# KiCad board Solder.kicad_pcb (continued)
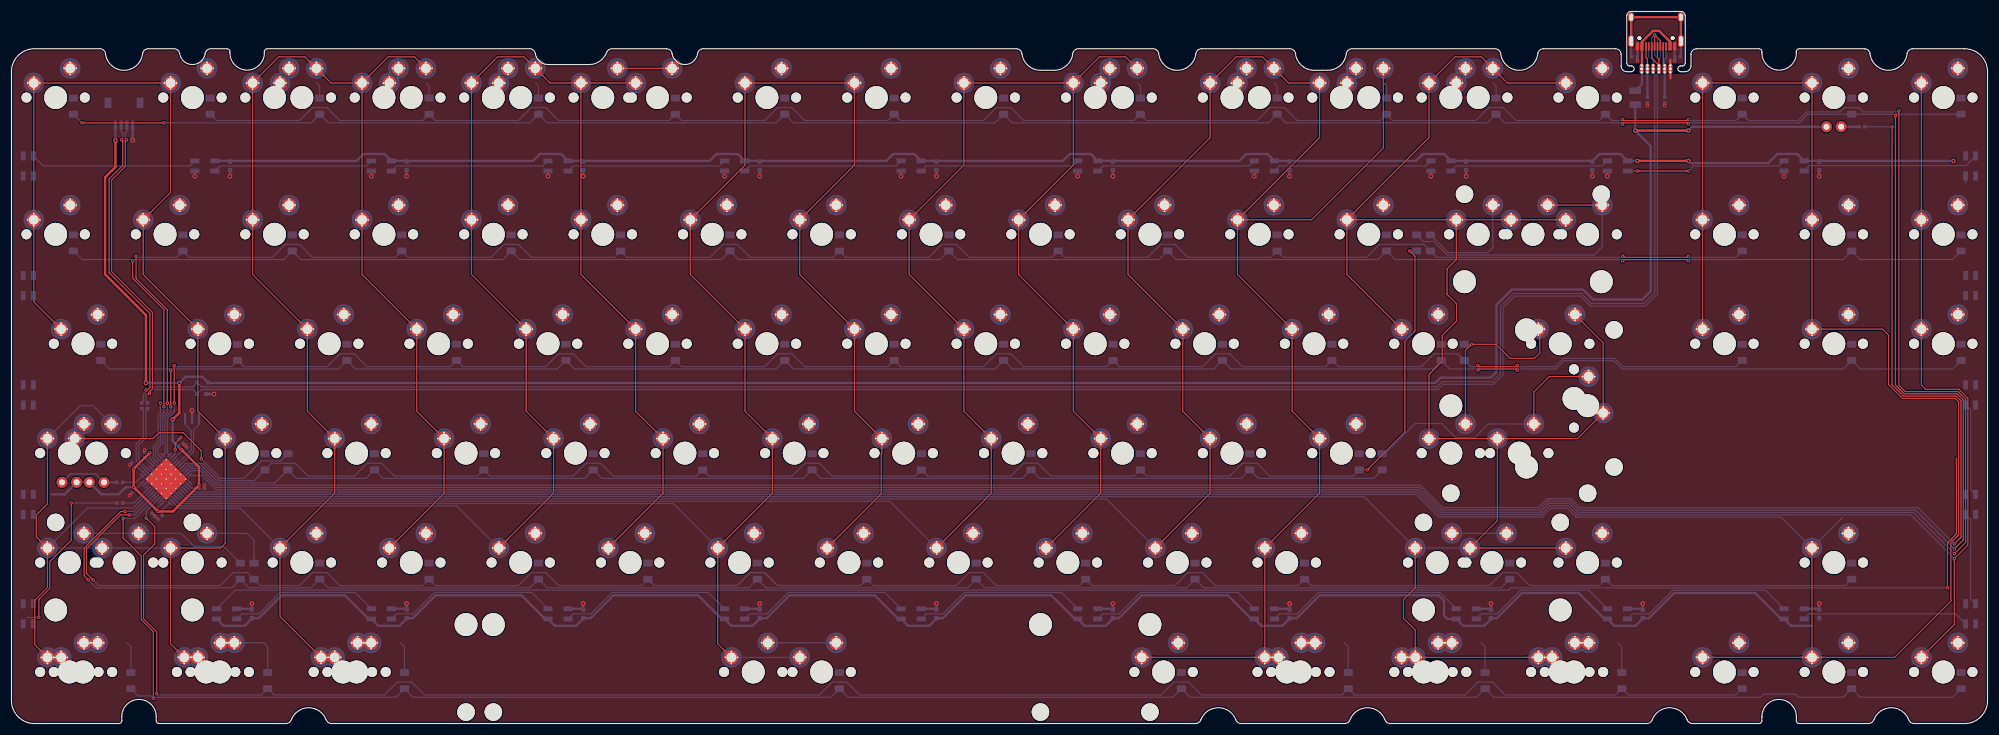
[diagram p0: board, top side]
## Copper pours and planes (outline as drawn; the poured copper is in the pictures) (continued)
C2 on Top: 93.02,112.38 92.95,112.45 92.88,112.53 92.82,112.6 92.77,112.67 92.72,112.74 92.69,112.81 92.65,112.87 92.62,112.94 92.6,113 92.58,113.06 92.56,113.12 92.55,113.19 92.54,113.25 92.53,113.31 92.5,113.83 92.49,113.9 92.49,113.98 92.48,114.05 92.46,114.13 92.45,114.21 92.42,114.3 92.4,114.39 92.37,114.48 90.75,114.51 90.78,112.89 90.87,112.86 90.96,112.83 91.04,112.81 91.12,112.79 91.2,112.78 91.28,112.77 91.35,112.76 91.42,112.76 91.95,112.73 92.01,112.72 92.07,112.71 92.13,112.69 92.19,112.68 92.26,112.66 92.32,112.63 92.39,112.6 92.45,112.57 92.52,112.53 92.59,112.49 92.66,112.43 92.73,112.38 92.8,112.31 92.88,112.24
C2 on Top: 80.18,109.04 80.18,109.14 80.18,109.24 80.19,109.33 80.21,109.42 80.22,109.5 80.24,109.58 80.26,109.65 80.29,109.71 80.32,109.78 80.35,109.83 80.38,109.89 80.41,109.94 80.45,109.99 80.49,110.04 80.84,110.43 80.88,110.49 80.93,110.55 80.98,110.61 81.02,110.67 81.07,110.74 81.11,110.82 81.16,110.9 81.2,110.98 80.08,112.15 78.95,110.98 78.99,110.9 79.04,110.82 79.08,110.74 79.13,110.67 79.18,110.61 79.22,110.55 79.27,110.49 79.32,110.43 79.66,110.04 79.7,109.99 79.74,109.94 79.77,109.89 79.81,109.83 79.84,109.78 79.86,109.71 79.89,109.65 79.91,109.58 79.93,109.5 79.95,109.42 79.96,109.33 79.97,109.24 79.97,109.14 79.98,109.04
C2 on Top: 87.77,70.35 87.84,70.28 87.91,70.2 87.97,70.13 88.02,70.06 88.07,69.99 88.11,69.93 88.14,69.86 88.17,69.8 88.19,69.73 88.21,69.67 88.23,69.61 88.24,69.55 88.25,69.48 88.26,69.42 88.29,68.9 88.3,68.83 88.3,68.75 88.31,68.68 88.33,68.6 88.35,68.52 88.37,68.43 88.39,68.35 88.42,68.25 90.04,68.22 90.01,69.85 89.92,69.87 89.83,69.9 89.75,69.92 89.67,69.94 89.59,69.95 89.51,69.96 89.44,69.97 89.37,69.98 88.84,70.01 88.78,70.01 88.72,70.02 88.66,70.04 88.6,70.05 88.53,70.07 88.47,70.1 88.41,70.13 88.34,70.16 88.27,70.2 88.2,70.25 88.13,70.3 88.06,70.36 87.99,70.42 87.91,70.5
C2 on Top: 80.18,85.22 80.18,85.33 80.18,85.43 80.19,85.52 80.21,85.61 80.22,85.69 80.24,85.76 80.26,85.83 80.29,85.9 80.32,85.96 80.35,86.02 80.38,86.08 80.41,86.13 80.45,86.18 80.49,86.23 80.84,86.62 80.88,86.68 80.93,86.73 80.98,86.8 81.02,86.86 81.07,86.93 81.11,87 81.16,87.08 81.2,87.17 80.08,88.34 78.95,87.17 78.99,87.08 79.04,87 79.08,86.93 79.13,86.86 79.18,86.8 79.22,86.73 79.27,86.68 79.32,86.62 79.66,86.23 79.7,86.18 79.74,86.13 79.77,86.08 79.81,86.02 79.84,85.96 79.86,85.9 79.89,85.83 79.91,85.76 79.93,85.69 79.95,85.61 79.96,85.52 79.97,85.43 79.97,85.33 79.98,85.22
C2 on Top: 106.82,70.35 106.89,70.28 106.96,70.2 107.02,70.13 107.07,70.06 107.12,69.99 107.16,69.93 107.19,69.86 107.22,69.8 107.24,69.73 107.26,69.67 107.28,69.61 107.29,69.55 107.3,69.48 107.31,69.42 107.34,68.9 107.35,68.83 107.35,68.75 107.36,68.68 107.38,68.6 107.4,68.52 107.42,68.43 107.44,68.35 107.47,68.25 109.09,68.22 109.06,69.85 108.97,69.87 108.88,69.9 108.8,69.92 108.72,69.94 108.64,69.95 108.56,69.96 108.49,69.97 108.42,69.98 107.89,70.01 107.83,70.01 107.77,70.02 107.71,70.04 107.65,70.05 107.58,70.07 107.52,70.1 107.46,70.13 107.39,70.16 107.32,70.2 107.25,70.25 107.18,70.3 107.11,70.36 107.04,70.42 106.96,70.5
C2 on Top: 99.23,85.22 99.23,85.33 99.23,85.43 99.24,85.52 99.26,85.61 99.27,85.69 99.29,85.76 99.31,85.83 99.34,85.9 99.37,85.96 99.4,86.02 99.43,86.08 99.46,86.13 99.5,86.18 99.54,86.23 99.89,86.62 99.93,86.68 99.98,86.73 100.03,86.8 100.07,86.86 100.12,86.93 100.16,87 100.21,87.08 100.25,87.17 99.13,88.34 98,87.17 98.04,87.08 98.09,87 98.13,86.93 98.18,86.86 98.23,86.8 98.27,86.73 98.32,86.68 98.37,86.62 98.71,86.23 98.75,86.18 98.79,86.13 98.82,86.08 98.86,86.02 98.89,85.96 98.91,85.9 98.94,85.83 98.96,85.76 98.98,85.69 99,85.61 99.01,85.52 99.02,85.43 99.02,85.33 99.03,85.22
C2 on Top: 79.98,90.2 79.97,90.1 79.97,90 79.96,89.91 79.95,89.82 79.93,89.74 79.91,89.66 79.89,89.59 79.86,89.53 79.84,89.47 79.81,89.41 79.77,89.35 79.74,89.3 79.7,89.25 79.66,89.2 79.32,88.81 79.27,88.75 79.22,88.69 79.18,88.63 79.13,88.57 79.08,88.5 79.04,88.42 78.99,88.34 78.95,88.26 80.08,87.09 81.2,88.26 81.16,88.34 81.11,88.42 81.07,88.5 81.02,88.57 80.98,88.63 80.93,88.69 80.88,88.75 80.84,88.81 80.49,89.2 80.45,89.25 80.41,89.3 80.38,89.35 80.35,89.41 80.32,89.47 80.29,89.53 80.26,89.59 80.24,89.66 80.22,89.74 80.21,89.82 80.19,89.91 80.18,90 80.18,90.1 80.18,90.2
C2 on Bottom: 83.01,32.25 83.08,32.18 83.15,32.1 83.21,32.03 83.26,31.96 83.3,31.89 83.34,31.83 83.38,31.76 83.41,31.7 83.43,31.63 83.45,31.57 83.47,31.51 83.48,31.45 83.49,31.38 83.5,31.32 83.53,30.8 83.53,30.73 83.54,30.65 83.55,30.58 83.57,30.5 83.58,30.42 83.6,30.33 83.63,30.25 83.66,30.15 85.28,30.12 85.25,31.75 85.16,31.77 85.07,31.8 84.99,31.82 84.91,31.84 84.83,31.85 84.75,31.86 84.68,31.87 84.6,31.88 84.08,31.91 84.02,31.91 83.96,31.92 83.9,31.94 83.83,31.95 83.77,31.97 83.71,32 83.64,32.03 83.58,32.06 83.51,32.1 83.44,32.15 83.37,32.2 83.3,32.26 83.23,32.32 83.15,32.4
C3 on Top: 123.04,28.07 123.04,28.18 123.05,28.28 123.06,28.37 123.07,28.46 123.09,28.54 123.1,28.61 123.13,28.68 123.15,28.75 123.18,28.81 123.21,28.87 123.24,28.93 123.28,28.98 123.31,29.03 123.35,29.08 123.7,29.47 123.75,29.53 123.79,29.58 123.84,29.65 123.89,29.71 123.93,29.78 123.98,29.85 124.02,29.93 124.06,30.02 122.94,31.19 121.81,30.02 121.86,29.93 121.9,29.85 121.95,29.78 121.99,29.71 122.04,29.65 122.08,29.58 122.13,29.53 122.18,29.47 122.53,29.08 122.56,29.03 122.6,28.98 122.64,28.93 122.67,28.87 122.7,28.81 122.73,28.75 122.75,28.68 122.77,28.61 122.79,28.54 122.81,28.46 122.82,28.37 122.83,28.28 122.84,28.18 122.84,28.07
C3 on Top: 127.8,109.04 127.8,109.14 127.81,109.24 127.82,109.33 127.83,109.42 127.85,109.5 127.87,109.58 127.89,109.65 127.91,109.71 127.94,109.78 127.97,109.83 128,109.89 128.04,109.94 128.08,109.99 128.11,110.04 128.46,110.43 128.51,110.49 128.56,110.55 128.6,110.61 128.65,110.67 128.69,110.74 128.74,110.82 128.78,110.9 128.83,110.98 127.7,112.15 126.58,110.98 126.62,110.9 126.66,110.82 126.71,110.74 126.75,110.67 126.8,110.61 126.85,110.55 126.89,110.49 126.94,110.43 127.29,110.04 127.33,109.99 127.36,109.94 127.4,109.89 127.43,109.83 127.46,109.78 127.49,109.71 127.51,109.65 127.54,109.58 127.56,109.5 127.57,109.42 127.58,109.33 127.59,109.24 127.6,109.14 127.6,109.04
C3 on Top: 144.26,111.43 144.37,111.43 144.47,111.42 144.56,111.41 144.65,111.4 144.73,111.38 144.8,111.36 144.87,111.34 144.94,111.31 145,111.29 145.06,111.26 145.11,111.22 145.17,111.19 145.22,111.15 145.27,111.11 145.66,110.77 145.71,110.72 145.77,110.67 145.83,110.63 145.9,110.58 145.97,110.53 146.04,110.49 146.12,110.45 146.21,110.4 147.38,111.53 146.21,112.65 146.12,112.61 146.04,112.56 145.97,112.52 145.9,112.47 145.83,112.43 145.77,112.38 145.71,112.33 145.66,112.29 145.27,111.94 145.22,111.9 145.17,111.86 145.11,111.83 145.06,111.8 145,111.77 144.94,111.74 144.87,111.71 144.8,111.69 144.73,111.67 144.65,111.66 144.56,111.64 144.47,111.63 144.37,111.63 144.26,111.63
C3 on Top: 130.19,111.63 130.09,111.63 129.99,111.63 129.89,111.64 129.81,111.66 129.73,111.67 129.65,111.69 129.58,111.71 129.52,111.74 129.45,111.77 129.39,111.8 129.34,111.83 129.29,111.86 129.23,111.9 129.19,111.94 128.8,112.29 128.74,112.33 128.68,112.38 128.62,112.43 128.56,112.47 128.49,112.52 128.41,112.56 128.33,112.61 128.25,112.65 127.08,111.53 128.25,110.4 128.33,110.45 128.41,110.49 128.49,110.53 128.56,110.58 128.62,110.63 128.68,110.67 128.74,110.72 128.8,110.77 129.19,111.11 129.23,111.15 129.29,111.19 129.34,111.22 129.39,111.26 129.45,111.29 129.52,111.31 129.58,111.34 129.65,111.36 129.73,111.38 129.81,111.4 129.89,111.41 129.99,111.42 130.09,111.43 130.19,111.43
C3 on Top: 146.85,109.04 146.85,109.14 146.86,109.24 146.87,109.33 146.88,109.42 146.9,109.5 146.92,109.58 146.94,109.65 146.96,109.71 146.99,109.78 147.02,109.83 147.05,109.89 147.09,109.94 147.13,109.99 147.16,110.04 147.51,110.43 147.56,110.49 147.61,110.55 147.65,110.61 147.7,110.67 147.74,110.74 147.79,110.82 147.83,110.9 147.88,110.98 146.75,112.15 145.63,110.98 145.67,110.9 145.71,110.82 145.76,110.74 145.8,110.67 145.85,110.61 145.9,110.55 145.94,110.49 145.99,110.43 146.34,110.04 146.38,109.99 146.41,109.94 146.45,109.89 146.48,109.83 146.51,109.78 146.54,109.71 146.56,109.65 146.59,109.58 146.61,109.5 146.62,109.42 146.63,109.33 146.64,109.24 146.65,109.14 146.65,109.04
C3 on Top: 125.87,70.35 125.94,70.28 126.01,70.2 126.07,70.13 126.12,70.06 126.17,69.99 126.21,69.93 126.24,69.86 126.27,69.8 126.29,69.73 126.31,69.67 126.33,69.61 126.34,69.55 126.35,69.48 126.36,69.42 126.39,68.9 126.4,68.83 126.4,68.75 126.41,68.68 126.43,68.6 126.45,68.52 126.47,68.43 126.49,68.35 126.52,68.25 128.14,68.22 128.11,69.85 128.02,69.87 127.93,69.9 127.85,69.92 127.77,69.94 127.69,69.95 127.61,69.96 127.54,69.97 127.47,69.98 126.94,70.01 126.88,70.01 126.82,70.02 126.76,70.04 126.7,70.05 126.63,70.07 126.57,70.1 126.51,70.13 126.44,70.16 126.37,70.2 126.3,70.25 126.23,70.3 126.16,70.36 126.09,70.42 126.01,70.5
C3 on Top: 118.28,85.22 118.28,85.33 118.28,85.43 118.29,85.52 118.31,85.61 118.32,85.69 118.34,85.76 118.36,85.83 118.39,85.9 118.42,85.96 118.45,86.02 118.48,86.08 118.51,86.13 118.55,86.18 118.59,86.23 118.94,86.62 118.98,86.68 119.03,86.73 119.08,86.8 119.12,86.86 119.17,86.93 119.21,87 119.26,87.08 119.3,87.17 118.18,88.34 117.05,87.17 117.09,87.08 117.14,87 117.18,86.93 117.23,86.86 117.28,86.8 117.32,86.73 117.37,86.68 117.42,86.62 117.76,86.23 117.8,86.18 117.84,86.13 117.87,86.08 117.91,86.02 117.94,85.96 117.96,85.9 117.99,85.83 118.01,85.76 118.03,85.69 118.05,85.61 118.06,85.52 118.07,85.43 118.07,85.33 118.08,85.22
C3 on Top: 149.68,51.3 149.76,51.23 149.82,51.15 149.88,51.08 149.93,51.01 149.98,50.94 150.02,50.88 150.05,50.81 150.08,50.75 150.11,50.68 150.13,50.62 150.14,50.56 150.15,50.5 150.17,50.43 150.17,50.37 150.2,49.85 150.21,49.78 150.22,49.7 150.23,49.63 150.24,49.55 150.26,49.47 150.28,49.38 150.3,49.3 150.33,49.2 151.96,49.17 151.92,50.8 151.83,50.82 151.75,50.85 151.66,50.87 151.58,50.89 151.5,50.9 151.43,50.91 151.35,50.92 151.28,50.93 150.76,50.96 150.69,50.96 150.63,50.97 150.57,50.99 150.51,51 150.45,51.02 150.38,51.05 150.32,51.08 150.25,51.11 150.19,51.15 150.12,51.2 150.05,51.25 149.97,51.31 149.9,51.37 149.82,51.45
C3 on Top: 144.92,70.35 144.99,70.28 145.06,70.2 145.12,70.13 145.17,70.06 145.22,69.99 145.26,69.93 145.29,69.86 145.32,69.8 145.34,69.73 145.36,69.67 145.38,69.61 145.39,69.55 145.4,69.48 145.41,69.42 145.44,68.9 145.45,68.83 145.45,68.75 145.46,68.68 145.48,68.6 145.5,68.52 145.52,68.43 145.54,68.35 145.57,68.25 147.19,68.22 147.16,69.85 147.07,69.87 146.98,69.9 146.9,69.92 146.82,69.94 146.74,69.95 146.66,69.96 146.59,69.97 146.52,69.98 145.99,70.01 145.93,70.01 145.87,70.02 145.81,70.04 145.75,70.05 145.68,70.07 145.62,70.1 145.56,70.13 145.49,70.16 145.42,70.2 145.35,70.25 145.28,70.3 145.21,70.36 145.14,70.42 145.06,70.5
C3 on Top: 137.33,85.22 137.33,85.33 137.33,85.43 137.34,85.52 137.36,85.61 137.37,85.69 137.39,85.76 137.41,85.83 137.44,85.9 137.47,85.96 137.5,86.02 137.53,86.08 137.56,86.13 137.6,86.18 137.64,86.23 137.99,86.62 138.03,86.68 138.08,86.73 138.13,86.8 138.17,86.86 138.22,86.93 138.26,87 138.31,87.08 138.35,87.17 137.23,88.34 136.1,87.17 136.14,87.08 136.19,87 136.23,86.93 136.28,86.86 136.33,86.8 136.37,86.73 136.42,86.68 136.47,86.62 136.81,86.23 136.85,86.18 136.89,86.13 136.92,86.08 136.96,86.02 136.99,85.96 137.01,85.9 137.04,85.83 137.06,85.76 137.08,85.69 137.1,85.61 137.11,85.52 137.12,85.43 137.12,85.33 137.13,85.22
C3 on Top: 146.85,66.17 146.85,66.28 146.86,66.38 146.87,66.47 146.88,66.56 146.9,66.64 146.92,66.71 146.94,66.78 146.96,66.85 146.99,66.91 147.02,66.97 147.05,67.03 147.09,67.08 147.13,67.13 147.16,67.18 147.51,67.57 147.56,67.63 147.61,67.68 147.65,67.75 147.7,67.81 147.74,67.88 147.79,67.95 147.83,68.03 147.88,68.12 146.75,69.29 145.63,68.12 145.67,68.03 145.71,67.95 145.76,67.88 145.8,67.81 145.85,67.75 145.9,67.68 145.94,67.63 145.99,67.57 146.34,67.18 146.38,67.13 146.41,67.08 146.45,67.03 146.48,66.97 146.51,66.91 146.54,66.85 146.56,66.78 146.59,66.71 146.61,66.64 146.62,66.56 146.63,66.47 146.64,66.38 146.65,66.28 146.65,66.17
C3 on Top: 130.63,51.3 130.71,51.23 130.77,51.15 130.83,51.08 130.88,51.01 130.93,50.94 130.97,50.88 131,50.81 131.03,50.75 131.06,50.68 131.08,50.62 131.09,50.56 131.1,50.5 131.12,50.43 131.12,50.37 131.15,49.85 131.16,49.78 131.17,49.7 131.18,49.63 131.19,49.55 131.21,49.47 131.23,49.38 131.25,49.3 131.28,49.2 132.91,49.17 132.87,50.8 132.78,50.82 132.7,50.85 132.61,50.87 132.53,50.89 132.45,50.9 132.38,50.91 132.3,50.92 132.23,50.93 131.71,50.96 131.64,50.96 131.58,50.97 131.52,50.99 131.46,51 131.4,51.02 131.33,51.05 131.27,51.08 131.2,51.11 131.14,51.15 131.07,51.2 131,51.25 130.92,51.31 130.85,51.37 130.77,51.45
C3 on Top: 127.8,66.17 127.8,66.28 127.81,66.38 127.82,66.47 127.83,66.56 127.85,66.64 127.87,66.71 127.89,66.78 127.91,66.85 127.94,66.91 127.97,66.97 128,67.03 128.04,67.08 128.08,67.13 128.11,67.18 128.46,67.57 128.51,67.63 128.56,67.68 128.6,67.75 128.65,67.81 128.69,67.88 128.74,67.95 128.78,68.03 128.83,68.12 127.7,69.29 126.58,68.12 126.62,68.03 126.66,67.95 126.71,67.88 126.75,67.81 126.8,67.75 126.85,67.68 126.89,67.63 126.94,67.57 127.29,67.18 127.33,67.13 127.36,67.08 127.4,67.03 127.43,66.97 127.46,66.91 127.49,66.85 127.51,66.78 127.54,66.71 127.56,66.64 127.57,66.56 127.58,66.47 127.59,66.38 127.6,66.28 127.6,66.17
C3 on Top: 124.63,32.4 124.55,32.32 124.48,32.26 124.41,32.2 124.34,32.15 124.27,32.1 124.2,32.06 124.14,32.03 124.07,32 124.01,31.97 123.94,31.95 123.88,31.94 123.82,31.92 123.76,31.91 123.7,31.91 123.17,31.88 123.1,31.87 123.03,31.86 122.95,31.85 122.87,31.84 122.79,31.82 122.71,31.8 122.62,31.77 122.53,31.75 122.5,30.12 124.12,30.15 124.15,30.25 124.17,30.33 124.2,30.42 124.21,30.5 124.23,30.58 124.24,30.65 124.24,30.73 124.25,30.8 124.28,31.32 124.29,31.38 124.3,31.45 124.31,31.51 124.33,31.57 124.35,31.63 124.37,31.7 124.4,31.76 124.44,31.83 124.47,31.89 124.52,31.96 124.57,32.03 124.63,32.1 124.7,32.18 124.77,32.25
C3 on Top: 132.56,47.12 132.57,47.23 132.57,47.33 132.58,47.42 132.59,47.51 132.61,47.59 132.63,47.66 132.65,47.73 132.68,47.8 132.7,47.86 132.73,47.92 132.77,47.98 132.8,48.03 132.84,48.08 132.88,48.13 133.23,48.52 133.27,48.58 133.32,48.63 133.36,48.7 133.41,48.76 133.46,48.83 133.5,48.9 133.55,48.98 133.59,49.07 132.46,50.24 131.34,49.07 131.38,48.98 131.43,48.9 131.47,48.83 131.52,48.76 131.56,48.7 131.61,48.63 131.66,48.58 131.7,48.52 132.05,48.13 132.09,48.08 132.13,48.03 132.16,47.98 132.19,47.92 132.22,47.86 132.25,47.8 132.28,47.73 132.3,47.66 132.32,47.59 132.33,47.51 132.35,47.42 132.36,47.33 132.36,47.23 132.36,47.12
C3 on Top: 151.61,47.12 151.62,47.23 151.62,47.33 151.63,47.42 151.64,47.51 151.66,47.59 151.68,47.66 151.7,47.73 151.73,47.8 151.75,47.86 151.78,47.92 151.82,47.98 151.85,48.03 151.89,48.08 151.93,48.13 152.28,48.52 152.32,48.58 152.37,48.63 152.41,48.7 152.46,48.76 152.51,48.83 152.55,48.9 152.6,48.98 152.64,49.07 151.51,50.24 150.39,49.07 150.43,48.98 150.48,48.9 150.52,48.83 150.57,48.76 150.61,48.7 150.66,48.63 150.71,48.58 150.75,48.52 151.1,48.13 151.14,48.08 151.18,48.03 151.21,47.98 151.24,47.92 151.27,47.86 151.3,47.8 151.33,47.73 151.35,47.66 151.37,47.59 151.38,47.51 151.4,47.42 151.41,47.33 151.41,47.23 151.41,47.12
C3 on Top: 143.68,32.4 143.6,32.32 143.53,32.26 143.46,32.2 143.39,32.15 143.32,32.1 143.25,32.06 143.19,32.03 143.12,32 143.06,31.97 142.99,31.95 142.93,31.94 142.87,31.92 142.81,31.91 142.75,31.91 142.22,31.88 142.15,31.87 142.08,31.86 142,31.85 141.92,31.84 141.84,31.82 141.76,31.8 141.67,31.77 141.58,31.75 141.55,30.12 143.17,30.15 143.2,30.25 143.22,30.33 143.25,30.42 143.26,30.5 143.28,30.58 143.29,30.65 143.29,30.73 143.3,30.8 143.33,31.32 143.34,31.38 143.35,31.45 143.36,31.51 143.38,31.57 143.4,31.63 143.42,31.7 143.45,31.76 143.49,31.83 143.52,31.89 143.57,31.96 143.62,32.03 143.68,32.1 143.75,32.18 143.82,32.25
C3 on Top: 138.92,89.55 138.84,89.47 138.77,89.41 138.69,89.35 138.62,89.3 138.56,89.25 138.49,89.21 138.42,89.18 138.36,89.15 138.3,89.12 138.23,89.1 138.17,89.09 138.11,89.07 138.05,89.06 137.98,89.06 137.46,89.03 137.39,89.02 137.32,89.01 137.24,89 137.16,88.99 137.08,88.97 136.99,88.95 136.91,88.92 136.82,88.9 136.78,87.27 138.41,87.3 138.44,87.4 138.46,87.48 138.48,87.57 138.5,87.65 138.51,87.73 138.52,87.8 138.53,87.88 138.54,87.95 138.57,88.47 138.58,88.53 138.59,88.6 138.6,88.66 138.62,88.72 138.64,88.78 138.66,88.85 138.69,88.91 138.72,88.98 138.76,89.04 138.81,89.11 138.86,89.18 138.92,89.25 138.98,89.33 139.06,89.4
C3 on Top: 119.87,89.55 119.79,89.47 119.72,89.41 119.64,89.35 119.57,89.3 119.51,89.25 119.44,89.21 119.37,89.18 119.31,89.15 119.25,89.12 119.18,89.1 119.12,89.09 119.06,89.07 119,89.06 118.93,89.06 118.41,89.03 118.34,89.02 118.27,89.01 118.19,89 118.11,88.99 118.03,88.97 117.94,88.95 117.86,88.92 117.77,88.9 117.73,87.27 119.36,87.3 119.39,87.4 119.41,87.48 119.43,87.57 119.45,87.65 119.46,87.73 119.47,87.8 119.48,87.88 119.49,87.95 119.52,88.47 119.53,88.53 119.54,88.6 119.55,88.66 119.57,88.72 119.59,88.78 119.61,88.85 119.64,88.91 119.67,88.98 119.71,89.04 119.76,89.11 119.81,89.18 119.87,89.25 119.93,89.33 120.01,89.4
C3 on Top: 123.49,13.2 123.56,13.13 123.63,13.05 123.69,12.98 123.74,12.91 123.78,12.84 123.82,12.78 123.86,12.71 123.89,12.65 123.91,12.58 123.93,12.52 123.95,12.46 123.96,12.4 123.97,12.33 123.98,12.27 124.01,11.75 124.01,11.68 124.02,11.6 124.03,11.53 124.05,11.45 124.06,11.37 124.08,11.28 124.11,11.2 124.14,11.1 125.76,11.07 125.73,12.7 125.64,12.72 125.55,12.75 125.47,12.77 125.39,12.79 125.31,12.8 125.23,12.81 125.16,12.82 125.09,12.83 124.56,12.86 124.5,12.86 124.44,12.87 124.38,12.89 124.31,12.9 124.25,12.92 124.19,12.95 124.12,12.98 124.06,13.01 123.99,13.05 123.92,13.1 123.85,13.15 123.78,13.21 123.71,13.27 123.63,13.35
C3 on Bottom: 134.74,11.41 134.84,11.41 134.94,11.41 135.03,11.4 135.12,11.38 135.2,11.37 135.28,11.35 135.35,11.33 135.41,11.3 135.47,11.27 135.53,11.24 135.59,11.21 135.64,11.18 135.69,11.14 135.74,11.1 136.13,10.75 136.19,10.71 136.25,10.66 136.31,10.61 136.37,10.57 136.44,10.52 136.52,10.48 136.6,10.43 136.68,10.39 137.85,11.51 136.68,12.64 136.6,12.6 136.52,12.55 136.44,12.51 136.37,12.46 136.31,12.42 136.25,12.37 136.19,12.32 136.13,12.28 135.74,11.93 135.69,11.89 135.64,11.85 135.59,11.82 135.53,11.79 135.47,11.76 135.41,11.73 135.35,11.7 135.28,11.68 135.2,11.66 135.12,11.64 135.03,11.63 134.94,11.62 134.84,11.62 134.74,11.61
C3 on Bottom: 127.81,11.61 127.7,11.62 127.6,11.62 127.51,11.63 127.43,11.64 127.35,11.66 127.27,11.68 127.2,11.7 127.13,11.73 127.07,11.76 127.01,11.79 126.96,11.82 126.9,11.85 126.85,11.89 126.8,11.93 126.41,12.28 126.36,12.32 126.3,12.37 126.24,12.42 126.17,12.46 126.1,12.51 126.03,12.55 125.95,12.6 125.87,12.64 124.7,11.51 125.87,10.39 125.95,10.43 126.03,10.48 126.1,10.52 126.17,10.57 126.24,10.61 126.3,10.66 126.36,10.71 126.41,10.75 126.8,11.1 126.85,11.14 126.9,11.18 126.96,11.21 127.01,11.24 127.07,11.27 127.13,11.3 127.2,11.33 127.27,11.35 127.35,11.37 127.43,11.38 127.51,11.4 127.6,11.41 127.7,11.41 127.81,11.41
C3 on Bottom: 121.11,32.25 121.18,32.18 121.25,32.1 121.31,32.03 121.36,31.96 121.4,31.89 121.44,31.83 121.48,31.76 121.51,31.7 121.53,31.63 121.55,31.57 121.57,31.51 121.58,31.45 121.59,31.38 121.6,31.32 121.63,30.8 121.63,30.73 121.64,30.65 121.65,30.58 121.67,30.5 121.68,30.42 121.7,30.33 121.73,30.25 121.76,30.15 123.38,30.12 123.35,31.75 123.26,31.77 123.17,31.8 123.09,31.82 123.01,31.84 122.93,31.85 122.85,31.86 122.78,31.87 122.7,31.88 122.18,31.91 122.12,31.91 122.06,31.92 122,31.94 121.93,31.95 121.87,31.97 121.81,32 121.74,32.03 121.68,32.06 121.61,32.1 121.54,32.15 121.47,32.2 121.4,32.26 121.33,32.32 121.25,32.4
C4 on Top: 183.02,70.35 183.09,70.28 183.16,70.2 183.22,70.13 183.27,70.06 183.32,69.99 183.36,69.93 183.39,69.86 183.42,69.8 183.44,69.73 183.46,69.67 183.48,69.61 183.49,69.55 183.5,69.48 183.51,69.42 183.54,68.9 183.55,68.83 183.55,68.75 183.56,68.68 183.58,68.6 183.6,68.52 183.62,68.43 183.64,68.35 183.67,68.25 185.29,68.22 185.26,69.85 185.17,69.87 185.08,69.9 185,69.92 184.92,69.94 184.84,69.95 184.76,69.96 184.69,69.97 184.62,69.98 184.09,70.01 184.03,70.01 183.97,70.02 183.91,70.04 183.85,70.05 183.78,70.07 183.72,70.1 183.66,70.13 183.59,70.16 183.52,70.2 183.45,70.25 183.38,70.3 183.31,70.36 183.24,70.42 183.16,70.5
C4 on Top: 175.43,85.22 175.43,85.33 175.43,85.43 175.44,85.52 175.46,85.61 175.47,85.69 175.49,85.76 175.51,85.83 175.54,85.9 175.57,85.96 175.6,86.02 175.63,86.08 175.66,86.13 175.7,86.18 175.74,86.23 176.09,86.62 176.13,86.68 176.18,86.73 176.23,86.8 176.27,86.86 176.32,86.93 176.36,87 176.41,87.08 176.45,87.17 175.33,88.34 174.2,87.17 174.24,87.08 174.29,87 174.33,86.93 174.38,86.86 174.43,86.8 174.47,86.73 174.52,86.68 174.57,86.62 174.91,86.23 174.95,86.18 174.99,86.13 175.02,86.08 175.06,86.02 175.09,85.96 175.11,85.9 175.14,85.83 175.16,85.76 175.18,85.69 175.2,85.61 175.21,85.52 175.22,85.43 175.22,85.33 175.23,85.22
C4 on Top: 187.78,51.3 187.86,51.23 187.92,51.15 187.98,51.08 188.03,51.01 188.08,50.94 188.12,50.88 188.15,50.81 188.18,50.75 188.21,50.68 188.23,50.62 188.24,50.56 188.25,50.5 188.27,50.43 188.27,50.37 188.3,49.85 188.31,49.78 188.32,49.7 188.33,49.63 188.34,49.55 188.36,49.47 188.38,49.38 188.4,49.3 188.43,49.2 190.06,49.17 190.02,50.8 189.93,50.82 189.85,50.85 189.76,50.87 189.68,50.89 189.6,50.9 189.53,50.91 189.45,50.92 189.38,50.93 188.86,50.96 188.79,50.96 188.73,50.97 188.67,50.99 188.61,51 188.55,51.02 188.48,51.05 188.42,51.08 188.35,51.11 188.29,51.15 188.22,51.2 188.15,51.25 188.07,51.31 188,51.37 187.92,51.45
C4 on Top: 184.95,66.17 184.95,66.28 184.96,66.38 184.97,66.47 184.98,66.56 185,66.64 185.02,66.71 185.04,66.78 185.06,66.85 185.09,66.91 185.12,66.97 185.15,67.03 185.19,67.08 185.23,67.13 185.26,67.18 185.61,67.57 185.66,67.63 185.71,67.68 185.75,67.75 185.8,67.81 185.84,67.88 185.89,67.95 185.93,68.03 185.98,68.12 184.85,69.29 183.73,68.12 183.77,68.03 183.81,67.95 183.86,67.88 183.9,67.81 183.95,67.75 184,67.68 184.04,67.63 184.09,67.57 184.44,67.18 184.48,67.13 184.51,67.08 184.55,67.03 184.58,66.97 184.61,66.91 184.64,66.85 184.66,66.78 184.69,66.71 184.71,66.64 184.72,66.56 184.73,66.47 184.74,66.38 184.75,66.28 184.75,66.17
C4 on Top: 168.73,51.3 168.81,51.23 168.87,51.15 168.93,51.08 168.98,51.01 169.03,50.94 169.07,50.88 169.1,50.81 169.13,50.75 169.16,50.68 169.18,50.62 169.19,50.56 169.2,50.5 169.22,50.43 169.22,50.37 169.25,49.85 169.26,49.78 169.27,49.7 169.28,49.63 169.29,49.55 169.31,49.47 169.33,49.38 169.35,49.3 169.38,49.2 171.01,49.17 170.97,50.8 170.88,50.82 170.8,50.85 170.71,50.87 170.63,50.89 170.55,50.9 170.48,50.91 170.4,50.92 170.33,50.93 169.81,50.96 169.74,50.96 169.68,50.97 169.62,50.99 169.56,51 169.5,51.02 169.43,51.05 169.37,51.08 169.3,51.11 169.24,51.15 169.17,51.2 169.1,51.25 169.02,51.31 168.95,51.37 168.87,51.45
C4 on Top: 165.9,66.17 165.9,66.28 165.91,66.38 165.92,66.47 165.93,66.56 165.95,66.64 165.97,66.71 165.99,66.78 166.01,66.85 166.04,66.91 166.07,66.97 166.1,67.03 166.14,67.08 166.18,67.13 166.21,67.18 166.56,67.57 166.61,67.63 166.66,67.68 166.7,67.75 166.75,67.81 166.79,67.88 166.84,67.95 166.88,68.03 166.93,68.12 165.8,69.29 164.68,68.12 164.72,68.03 164.76,67.95 164.81,67.88 164.85,67.81 164.9,67.75 164.95,67.68 164.99,67.63 165.04,67.57 165.39,67.18 165.43,67.13 165.46,67.08 165.5,67.03 165.53,66.97 165.56,66.91 165.59,66.85 165.61,66.78 165.64,66.71 165.66,66.64 165.67,66.56 165.68,66.47 165.69,66.38 165.7,66.28 165.7,66.17
C4 on Top: 162.73,32.4 162.65,32.32 162.58,32.26 162.51,32.2 162.44,32.15 162.37,32.1 162.3,32.06 162.24,32.03 162.17,32 162.11,31.97 162.04,31.95 161.98,31.94 161.92,31.92 161.86,31.91 161.8,31.91 161.27,31.88 161.2,31.87 161.13,31.86 161.05,31.85 160.97,31.84 160.89,31.82 160.81,31.8 160.72,31.77 160.63,31.75 160.6,30.12 162.22,30.15 162.25,30.25 162.27,30.33 162.3,30.42 162.31,30.5 162.33,30.58 162.34,30.65 162.34,30.73 162.35,30.8 162.38,31.32 162.39,31.38 162.4,31.45 162.41,31.51 162.43,31.57 162.45,31.63 162.47,31.7 162.5,31.76 162.54,31.83 162.57,31.89 162.62,31.96 162.67,32.03 162.73,32.1 162.8,32.18 162.87,32.25
C4 on Top: 181.78,32.4 181.7,32.32 181.63,32.26 181.56,32.2 181.49,32.15 181.42,32.1 181.35,32.06 181.29,32.03 181.22,32 181.16,31.97 181.09,31.95 181.03,31.94 180.97,31.92 180.91,31.91 180.85,31.91 180.32,31.88 180.25,31.87 180.18,31.86 180.1,31.85 180.02,31.84 179.94,31.82 179.86,31.8 179.77,31.77 179.68,31.75 179.65,30.12 181.27,30.15 181.3,30.25 181.32,30.33 181.35,30.42 181.36,30.5 181.38,30.58 181.39,30.65 181.39,30.73 181.4,30.8 181.43,31.32 181.44,31.38 181.45,31.45 181.46,31.51 181.48,31.57 181.5,31.63 181.52,31.7 181.55,31.76 181.59,31.83 181.62,31.89 181.67,31.96 181.72,32.03 181.78,32.1 181.85,32.18 181.92,32.25